# Altium PCB MasterRelayModule.PcbDoc
Units mm, origin at the board's own origin, x right, y up, seen from the top; angles counter-clockwise.
Board outline 81.05 x 73.63 mm, 2 copper layers (Top Layer, Bottom Layer); 61 components, 47 nets, 191 pads, 51 vias.
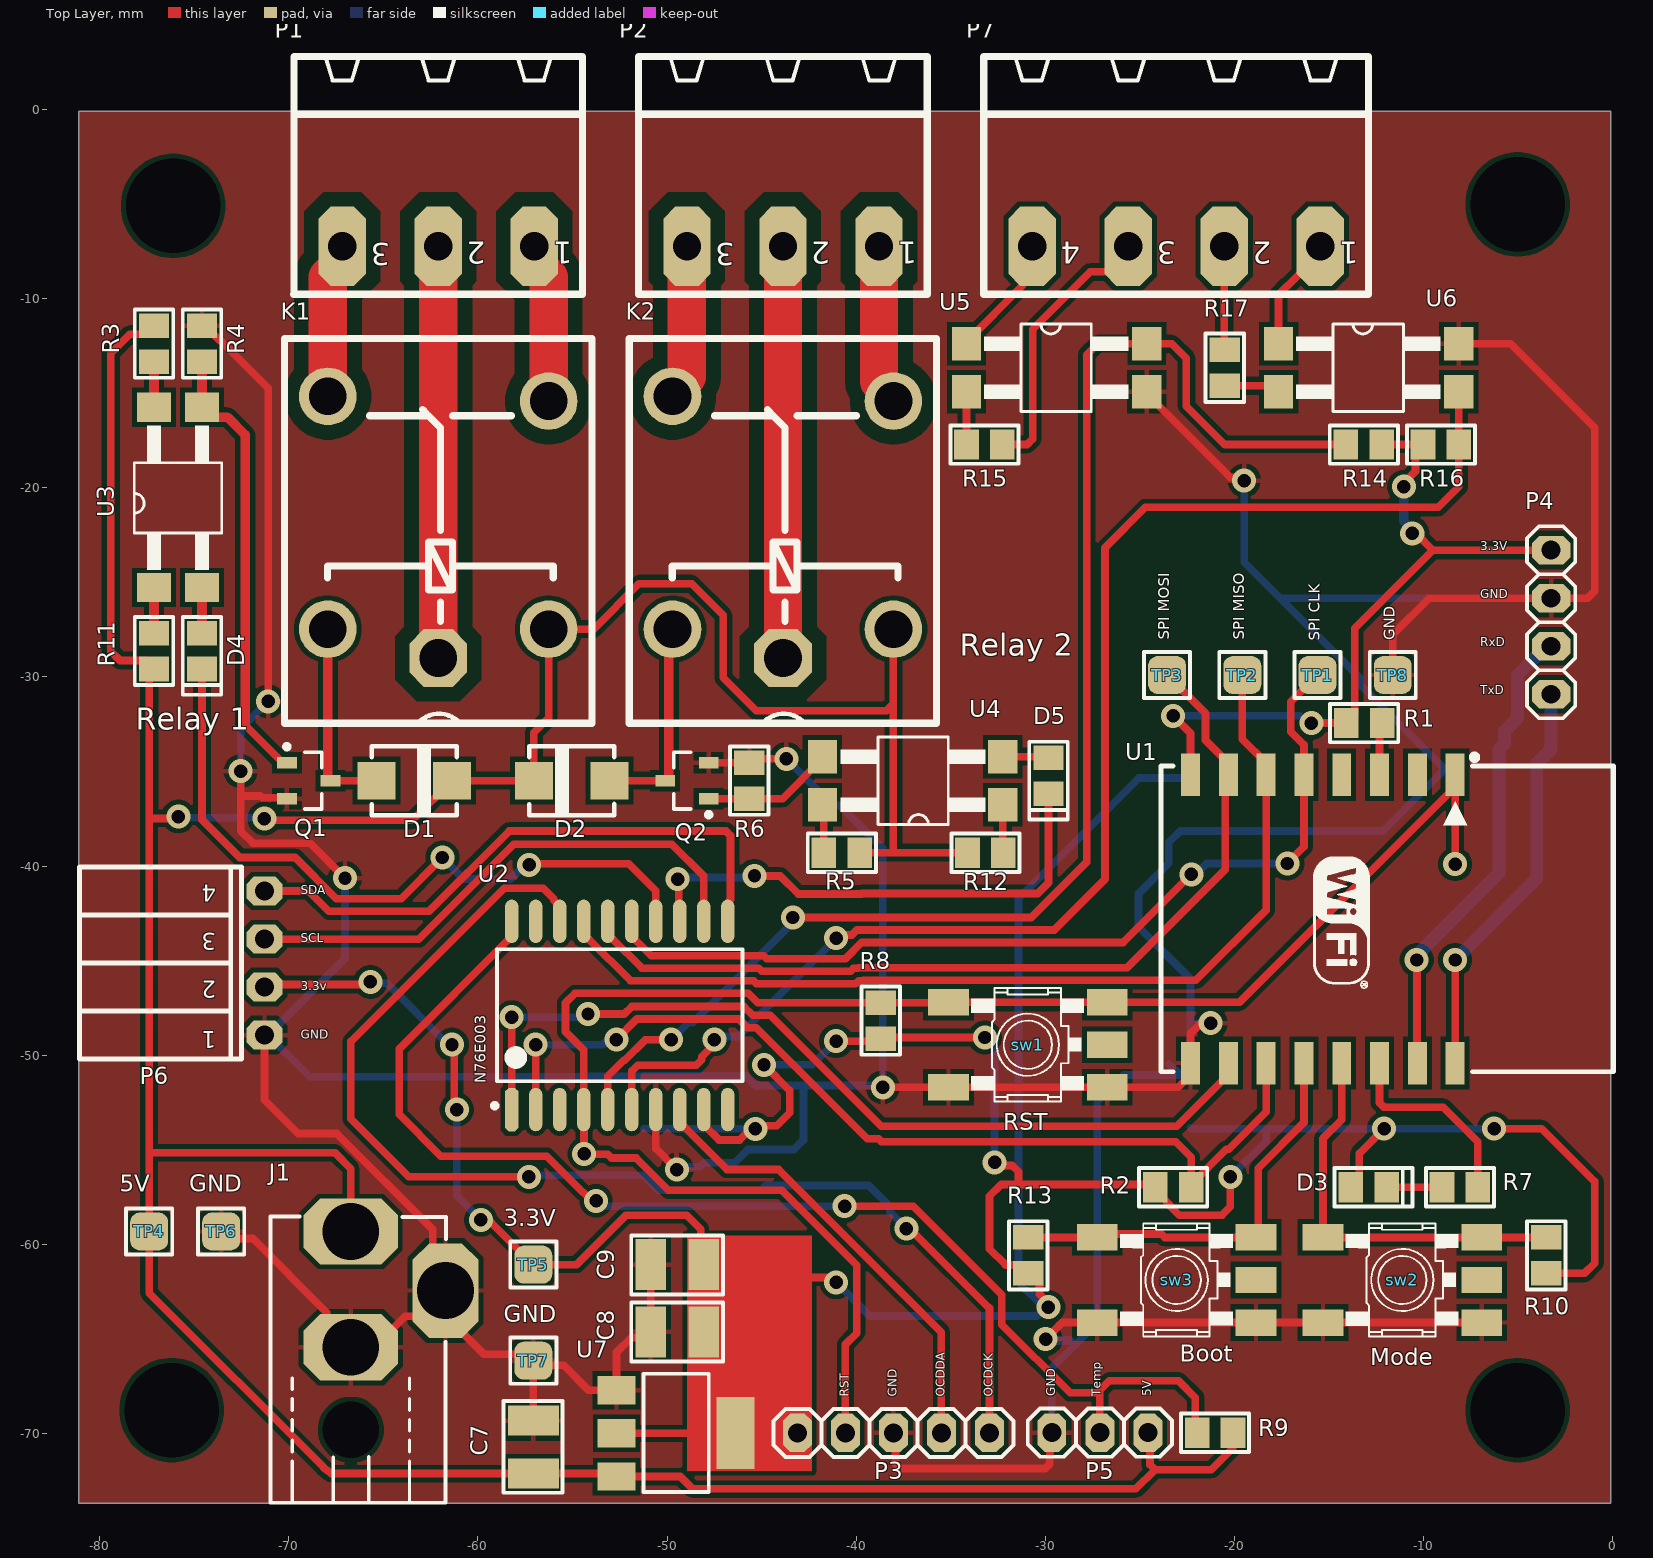
[diagram p0: Top Layer view]
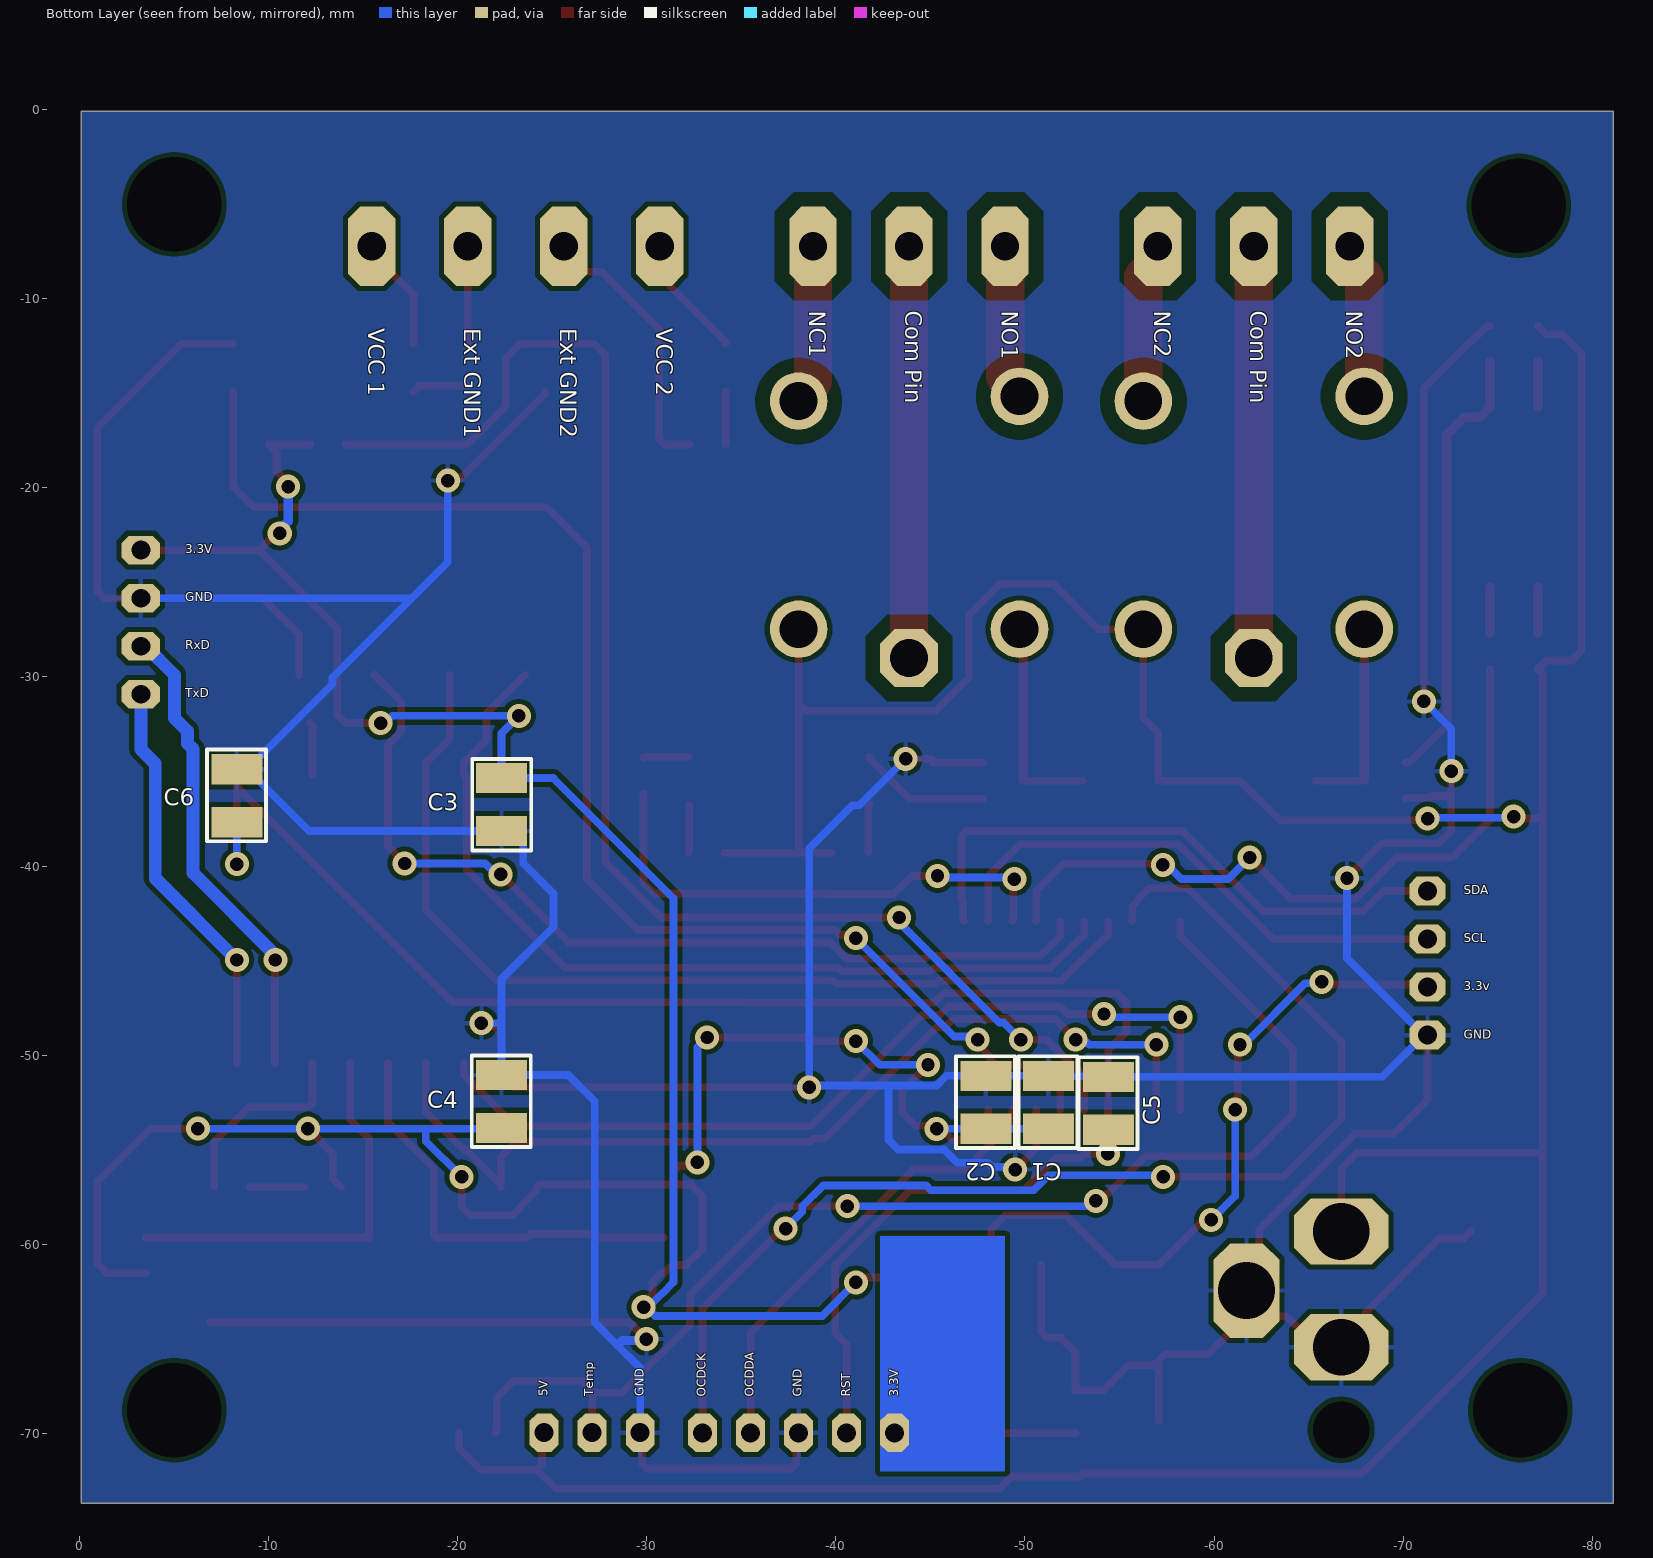
[diagram p1: Bottom Layer view, seen from below]
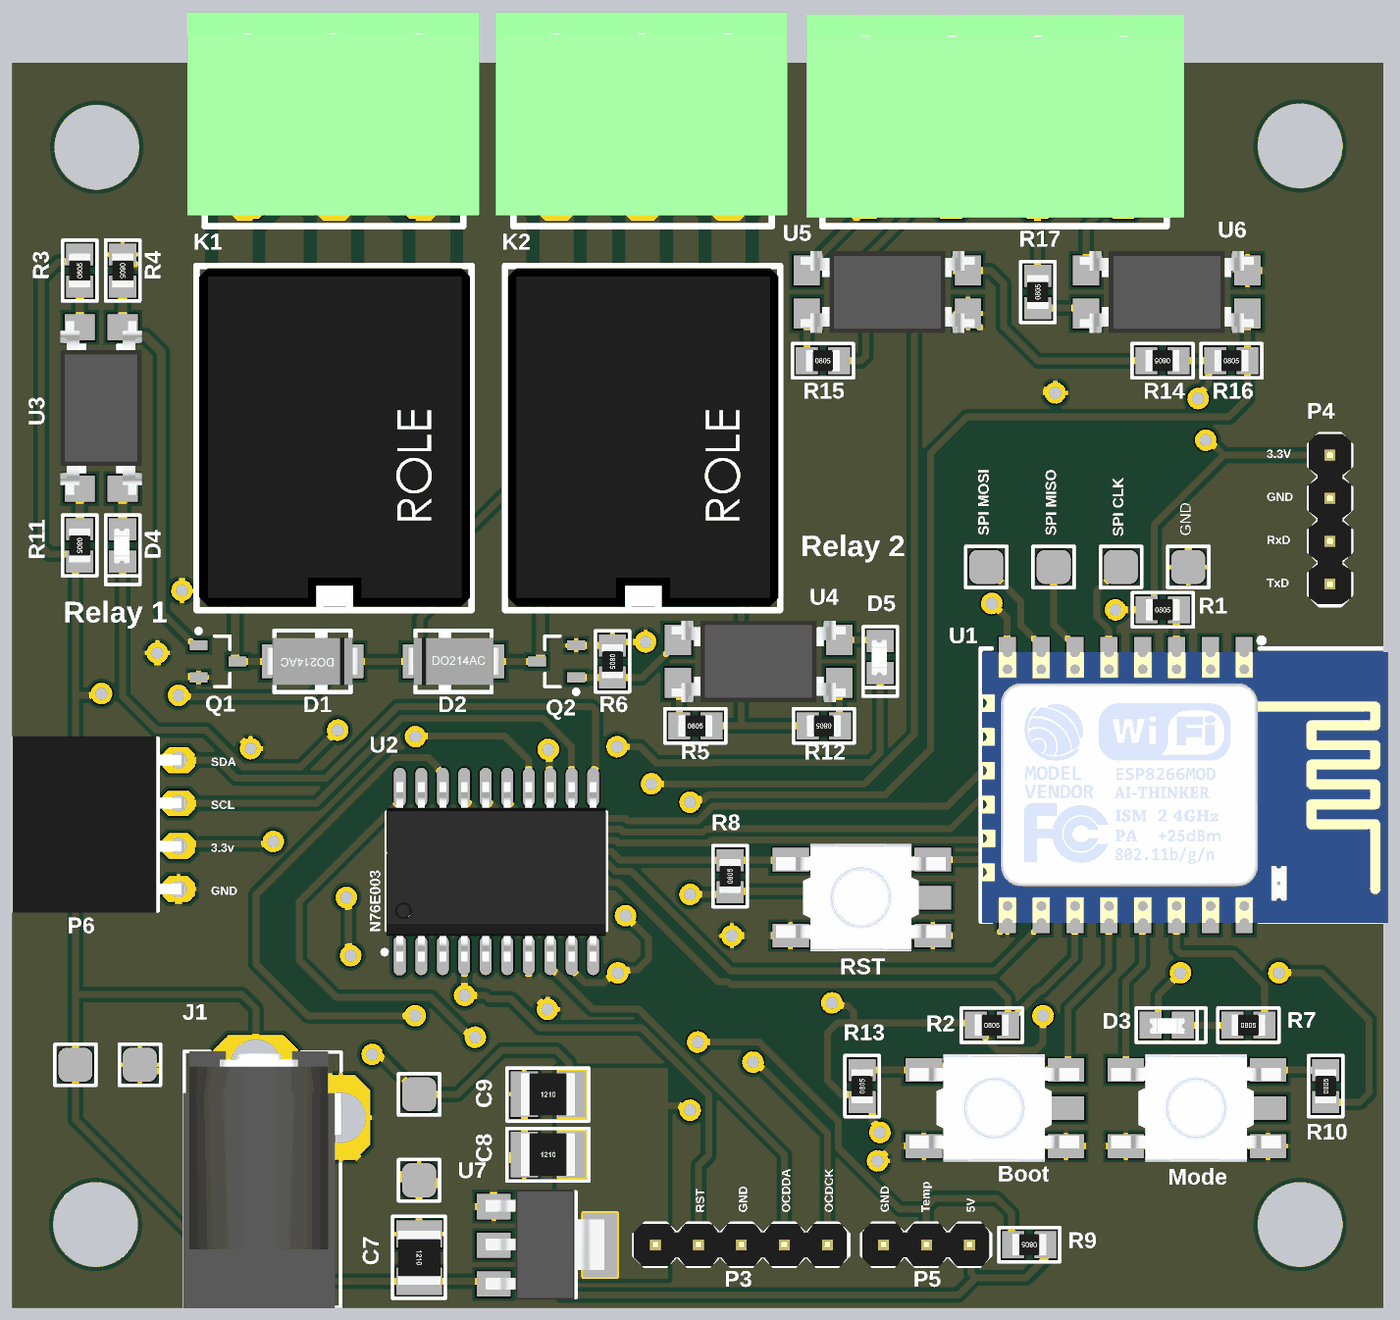
[diagram p2: 3D render of the assembled board from above, using the file's embedded part models]
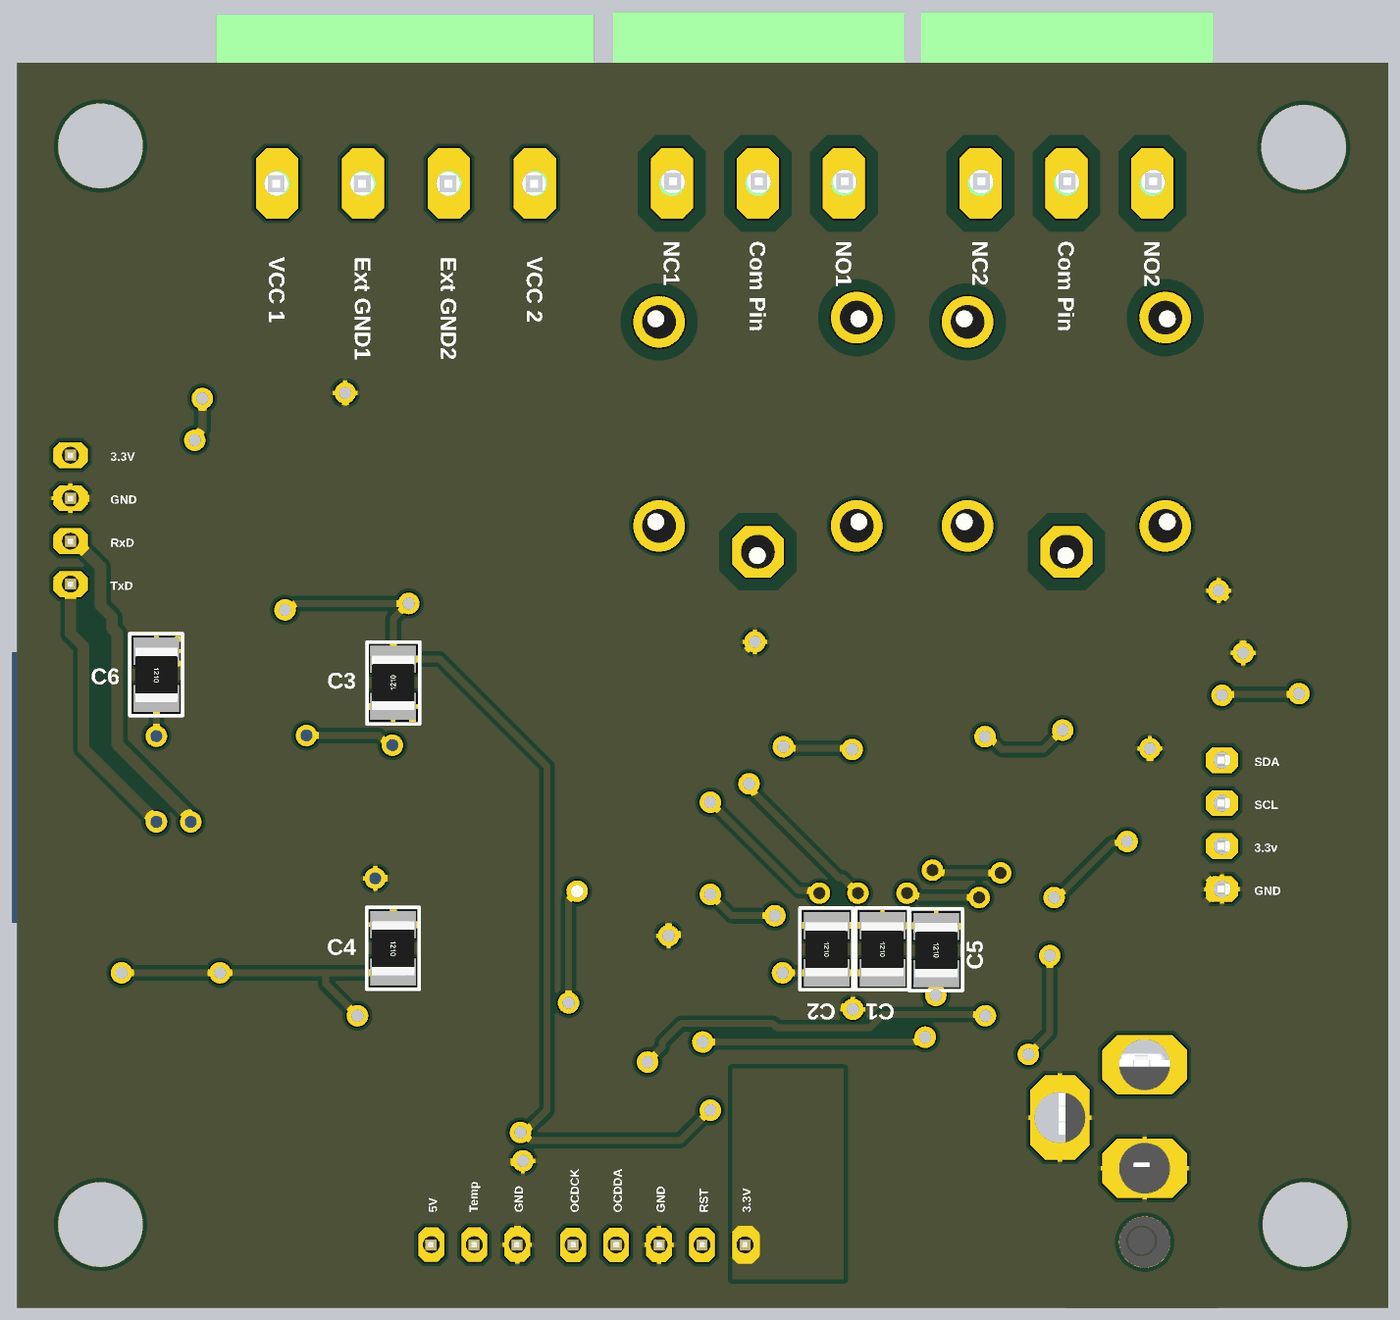
[diagram p3: 3D render of the assembled board from below, using the file's embedded part models]

## Layer stack, top to bottom
Top Solder: solder mask 0.0102, Solder Resist, Dk 3.5
Top Layer: signal copper 0.0356
Dielectric 1: dielectric 0.32, FR-4, Dk 4.8
Bottom Layer: signal copper 0.0356
Bottom Solder: solder mask 0.0102, Solder Resist, Dk 3.5

## Board outline
-81.127,-73.711 -81.127,-0.077 -0.077,-0.077 -0.077,-73.711

## Design rules (kind name [scope] priority, off if disabled: settings)
Clearance "Schematic Clearance Constraint_5" [InNet('NormalOpenRelay1')] p1: gap=0.762 ignorepadtopadclearanceinfootprint=FALSE
Clearance "Schematic Clearance Constraint_4" [InNet('CommonPinRelay1')] p2: gap=0.762 ignorepadtopadclearanceinfootprint=FALSE
Clearance "Schematic Clearance Constraint_3" [InNet('NormalCloseRelay1')] p3: gap=0.762 ignorepadtopadclearanceinfootprint=FALSE
Clearance "Schematic Clearance Constraint_2" [InNet('NormalOpenRelay2')] p4: gap=0.762 ignorepadtopadclearanceinfootprint=FALSE
Clearance "Schematic Clearance Constraint_1" [InNet('NormalCloseRelay2')] p5: gap=0.762 ignorepadtopadclearanceinfootprint=FALSE
Clearance "Schematic Clearance Constraint" [InNet('CommonPinRelay2')] p6: gap=0.762 ignorepadtopadclearanceinfootprint=FALSE
Clearance [All] p7: gap=0.254 ignorepadtopadclearanceinfootprint=FALSE except(0: Arc-Hole Track-Hole SMDPad-Hole THPad-Hole Via-Hole Fill-Hole Poly-Hole Region-Hole Text-Hole)
HoleSize [All] p1: absolutevalues=TRUE maxlimit=5 minlimit=0.025 maxpercent=80.000 minpercent=20.000
HoleToHoleClearance [All] p1: gap=0.076 allowstackedmicrovias=TRUE
MinimumSolderMaskSliver [All] p1: minsoldermaskwidth=0.076
PolygonConnect [All] p1: connectstyle=Relief reliefconductorwidth=0.254 reliefentries=4 polygonreliefangle="90 Angle" airgapwidth=0.254
RoutingVias [All] p1: holewidth=0.711 width=1.27 viastyle="Through Hole" minholewidth=0.711 minwidth=1.27 maxholewidth=0.711 maxwidth=1.27
SilkToSilkClearance [All] p1: silktosilkclearance=0.076
SilkToSolderMaskClearance [IsPad] p1: minsilkscreentomaskgap=0.076 clearancetoexposedcopper=TRUE
SolderMaskExpansion [All] p1: expansion=0.102 istentingtop=FALSE
Width "Schematic Width Constraint_5" [InNet('NormalCloseRelay1')] p1: maxlimit=2.54 minlimit=2.032 preferedwidth=2.032
Width "Schematic Width Constraint_4" [InNet('NormalCloseRelay2')] p2: maxlimit=2.54 minlimit=2.032 preferedwidth=2.032
Width "Schematic Width Constraint_3" [InNet('CommonPinRelay2')] p3: maxlimit=2.54 minlimit=2.032 preferedwidth=2.032
Width "Schematic Width Constraint_2" [InNet('NormalOpenRelay1')] p4: maxlimit=2.54 minlimit=2.032 preferedwidth=2.032
Width "Schematic Width Constraint_1" [InNet('CommonPinRelay1')] p5: maxlimit=2.54 minlimit=2.032 preferedwidth=2.032
Width "Schematic Width Constraint" [InNet('NormalOpenRelay2')] p6: maxlimit=2.54 minlimit=2.032 preferedwidth=2.032
Width [All] p7: maxlimit=1.27 minlimit=0.406 preferedwidth=0.508
25 further rules are at their usual default settings.

## Components (designator, comment, footprint, x,y, rotation, side; value= is the part's Value field where it differs from the comment)
C1 "10uF" MY_1210 -51.232,-52.502 r270 bottom
C2 "100uF" MY_1210 -47.93,-52.502 r270 bottom
C3 "10uF" MY_1210 -22.306,-36.746 r90 bottom
C4 "100uF" MY_1210 -22.306,-52.455 r270 bottom
C5 "100nF" MY_1210 -54.407,-52.555 r270 bottom
C6 "100uF" MY_1210 -8.306,-36.28 r270 bottom
C7 "10uF" MY_1210 -57.074,-70.739 r270 top
C8 "10uF" MY_1210 -49.454,-64.643 r0 top
C9 "10uF" MY_1210 -49.454,-61.087 r0 top
D1 "1N4007" MY_SMA -63.373,-35.484 r180 top
D2 "1N4007" MY_SMA -55.042,-35.484 r0 top
D3 "LED" MY_LED_0805 -12.878,-57.074 r180 top
D4 "LED" MY_LED_0805 -74.676,-28.626 r90 top
D5 "LED" MY_LED_0805 -29.896,-35.23 r90 top
J1 "DC_Jack" My_DC_Jack -66.726,-68.707 r0 top
K1 "Relay-SPDT" My_rel -62.116,-23.546 r180 top
K2 "Relay-SPDT" My_rel -43.879,-23.546 r180 top
P1 "Header 3" MY_MSTBA3 -62.154,-3.734 r180 top
P2 "Header 3" MY_MSTBA3 -43.917,-3.734 r180 top
P3 "Header 5" My_1X05 -38.024,-69.986 r0 top
P4 "Header 4" My_1X04 -3.226,-27.102 r270 top
P5 "Header 3" My_1X03 -27.102,-69.977 r0 top
P6 "Header 4" MY_FE04W -71.298,-45.136 r90 top
P7 "Header 4" MY_MSTBA4 -22.784,-3.734 r180 top
Q1 "BC817K-40" INF-SOT23_N -68.961,-35.484 r0 top
Q2 "BC817K-40" INF-SOT23_N -48.946,-35.484 r180 top
R1 "4.7K" MY_0805 -13.115,-32.436 r0 top
R2 "4.7K" MY_0805 -23.222,-56.998 r0 top
R3 "1K" MY_0805 -77.14,-12.37 r90 top
R4 "10K" MY_0805 -74.6,-12.37 r270 top
R5 "1K" MY_0805 -40.752,-39.294 r0 top
R6 "10K" MY_0805 -45.644,-35.484 r270 top
R7 "330" MY_0805 -8.052,-56.998 r0 top
R8 "1K" MY_0805 -38.695,-48.184 r90 top
R9 "4.7K" MY_0805 -21.006,-69.977 r180 top
R10 "1K" MY_0805 -3.48,-60.6 r90 top
R11 "220" MY_0805 -77.14,-28.626 r270 top
R12 "220" MY_0805 -33.153,-39.294 r180 top
R13 "1K" MY_0805 -30.887,-60.6 r90 top
R14 "1K" MY_0805 -13.132,-17.704 r180 top
R15 "220" MY_0805 -33.208,-17.704 r0 top
R16 "1K" MY_0805 -9.058,-17.704 r0 top
R17 "220" MY_0805 -20.498,-13.64 r90 top
sw1 "RST" MY_TACTILE-SMD -30.912,-49.454 r0 top
sw2 "Mode" MY_TACTILE-SMD -11.1,-61.9 r0 top
sw3 "Boot" MY_TACTILE-SMD -23.038,-61.9 r0 top
TP1 "SPI CLK" MY_Testpad1 -15.587,-29.896 r0 top
TP2 "SPI MISO" MY_Testpad1 -19.567,-29.896 r0 top
TP3 "SPI MOSI" MY_Testpad1 -23.546,-29.896 r0 top
TP4 "5V" MY_Testpad1 -77.394,-59.335 r0 top
TP5 "3.3V" MY_Testpad1 -57.074,-61.087 r0 top
TP6 "GND" MY_Testpad1 -73.584,-59.335 r0 top
TP7 "GND" MY_Testpad1 -57.074,-66.167 r0 top
TP8 "GND" MY_Testpad1 -11.608,-29.896 r0 top
U1 "ESP07-S" ESP07-S -15.164,-42.926 r270 top
U2 "N76E003" SOP_20 -52.502,-47.93 r90 top
U3 "Optoisolator" MY_OPTO_SMD4-7 -75.87,-20.498 r0 top
U4 "Optoisolator" MY_OPTO_SMD4-7 -37.008,-35.484 r90 top
U5 "Optoisolator" MY_OPTO_SMD4-7 -29.388,-13.64 r270 top
U6 "Optoisolator" MY_OPTO_SMD4-7 -12.878,-13.64 r270 top
U7 "LM1117-3.3v" MY_SOT223 -49.454,-69.977 r270 top

## Footprints (in the part's own frame and the unit in brackets; to place one, negate y for a bottom-side part, rotate by r counter-clockwise, add the part's x,y. Pads: shape width x height; smd on the part's side, far side on the other; paste and mask are expansions set on the pad)
ESP07-S [mm]
  rect 2.25x1 smd: 1(-7.753,6.858) 2(-7.753,4.858) 3(-7.753,2.858) 4(-7.753,0.858) 5(-7.753,-1.142) 6(-7.753,-3.142) 7(-7.753,-5.142) 8(-7.753,-7.142) 9(7.497,-7.142) 10(7.497,-5.142) 11(7.497,-3.142) 12(7.497,-1.142) 13(7.497,0.858) 14(7.497,2.858) 15(7.497,4.858) 16(7.497,6.858)
  silkscreen extent -8.83,-8.71 7.96,15.23, body extent -7.99,-8.66 8.03,15.37, height 3.82
INF-SOT23_N [mm] "SOT23, 3-Leads, Body 2.9x1.3 mm, Pitch 0.95 mm, IPC Medium Density"
  rect 1.05x0.6 smd: 1(-1.15,0.95) 2(-1.15,-0.95) 3(1.15,0)
  silkscreen extent -1.27,-1.5 0.7,1.92, body extent -0.7,-1.5 0.7,1.5, height 1.1
My_1X03 [mil]
  oct 60x80 hole 39.37: 1(-100,0) 2(0,0) 3(100,0)
  silkscreen extent -150,-50 150,50, body extent -149,-49 147,49, height 323
My_1X04 [mil]
  oct 60x80 hole 39.37: 1(-150,0) 2(-50,0) 3(50,0) 4(150,0)
  silkscreen extent -200,-50 200,50, body extent -200,-49 196,49, height 323
My_1X05 [mil]
  oct 60x80 hole 39.37: 1(-200,0) 2(-100,0) 3(0,0) 4(100,0) 5(200,0)
  silkscreen extent -250,-50 250,50, body extent -250,-49 246,49, height 323
MY_0805 [mm]
  rect 1.3x1.6 smd: 1(-0.95,0) 2(0.95,0)
  silkscreen extent -1.8,-1.02 1.8,1.02, body extent -1,-0.62 1,0.63, height 0.59
MY_1210 [mm]
  rect 1.6x2.7 smd: 1(-1.4,0) 2(1.4,0)
  silkscreen extent -2.44,-1.57 2.41,1.55, body extent -1.6,-1.25 1.6,1.25, height 0.59
My_DC_Jack [mm]
  round 0 hole 3: 0(0,-1.118)
  oct 5x3.5 hole 3: 1(0,9.373) 3(0,3.251)
  oct 3.5x5 hole 3: 2(5.004,6.248)
  silkscreen extent -4.25,-4.98 5.03,10.16, body extent -4.32,-5.04 5.08,10.16, height 11.02
MY_FE04W [mm]
  oct 1.524x1.905 hole 1: 1(-3.81,0) 2(-1.27,0) 3(1.27,0) 4(3.81,0)
  silkscreen extent -5.08,1.22 5.08,9.78, body extent -5.2,-0.25 5.21,9.81, height 2.52
MY_LED_0805 [mm]
  rect 1.3x1.6 smd: A(0.95,-0.076) K(-0.95,-0.076)
  silkscreen extent -2.31,-1.09 1.8,0.94, body extent -1.06,-0.48 1.01,0.42, height 0.86
MY_MSTBA3 [mm]
  oct 2.5x4.191 hole 1.5: 1(-5.131,3.48) 2(-0.051,3.48) 3(5.029,3.48)
  silkscreen extent -7.69,-6.55 7.59,6.02, body extent -8.62,-6.63 8.62,5.37, height 8.62
MY_MSTBA4 [mm]
  oct 2.5x4.191 hole 1.5: 1(-7.341,3.48) 2(-2.261,3.48) 3(2.819,3.48) 4(7.899,3.48)
  silkscreen extent -9.9,-6.55 10.46,6.02, body extent -10.93,-6.5 11.39,5.5, height 8.62
MY_OPTO_SMD4-7 [mm]
  rect 1.78x1.55 smd: 1(-1.27,-4.77) 2(1.27,-4.77) 3(1.27,4.77) 4(-1.27,4.77)
  silkscreen extent -2.32,-3.85 2.31,3.8, body extent -2.41,-5.14 2.41,5.14, height 5.6
My_rel [mil]
  oct 120x120 hole 78.74: 1(-0.5,214.5)
  round 120 hole 78.74: 2(-230.5,-320.5) 3(229.5,-330.5) 4(-230.5,154.5) 5(229.5,154.5)
  silkscreen extent -321,-451 320,351, body extent -317,-446 313,342, height 591
MY_SMA [mm]
  rect 2x2 smd: A(2,0) K(-2,0)
  silkscreen extent -2.25,-1.82 2.25,1.83, body extent -2.74,-1.4 2.74,1.4, height 2.29
MY_SOT223 [mil]
  rect 59x79 smd: 1(-88.65,-126.69) 2(1.35,-126.69) 3(91.35,-126.69)
  rect 150x79 smd: 2(0.35,121.31)
  silkscreen extent -123,-71 123,65, body extent -128,-145 128,131, height 66
MY_TACTILE-SMD [mm]
  rect 2.159x1.4 smd: 1(-4.2,2.25) 1(4.2,2.25) 2(-4.2,-2.25) 2(4.2,-2.25) 5(4.2,0)
  silkscreen extent -3,-3 2.98,3, body extent -5.06,-3.17 4.97,3.17, height 5.52
MY_Testpad1 [mil]
  rrect50% 79x79 smd: 1(0,0)
  silkscreen extent -48,-48 48,48
SOP_20 [mm]
  oct 2.3x0.7 smd: 1(-4.953,5.715)
  oval 2.3x0.7 smd: 2(-4.953,4.445) 3(-4.953,3.175) 4(-4.953,1.905) 5(-4.953,0.635) 6(-4.953,-0.635) 7(-4.953,-1.905) 8(-4.953,-3.175) 9(-4.953,-4.445) 10(-4.953,-5.715) 11(5.004,-5.715) 12(5.004,-4.445) 13(5.004,-3.175) 14(5.004,-1.905) 15(5.004,-0.635) 16(5.004,0.635) 17(5.004,1.905) 18(5.004,3.175) 19(5.004,4.445) 20(5.004,5.715)
  silkscreen extent -4.87,-6.5 3.53,6.74, body extent -5.3,-6.5 5.3,6.5, height 2.57

## Part data
C1 C2 C3 C4 C5 C6 C7 C8 C9: library part "Cap ceramic", "None polar capacitor", ASiD Part Number=C-AS, Volte=>10v
D1 D2: "1 Amp Diode", ASiD Part Number=1n4007-AS
D3 D4 D5: "Typical INFRARED GaAs LED", ASiD Part Number=LED-AS
J1: ASiD Part Number=DC_Jack-AS
K1 K2: "Standard single contact relay", ASiD Part Number=Relay-SPDT-AS
P1 P2 P5: "Header, 3-Pin", ASiD Part Number="Header 3-AS"
P3: "Header, 5-Pin", ASiD Part Number="Header 5-AS"
P4 P6 P7: "Header, 4-Pin", ASiD Part Number="Header 4-AS"
Q1 Q2: "NPN Silicon AF Transistor, 45 V VCEO, 500 mA IC, SOT23, Reel, Green", Manufacturer=Infineon, ComponentLink1Description="Manufacturer URL", ComponentLink1URL=http://www.infineon.com/, ComponentLink2Description=Datasheet, ComponentLink2URL=http://www.infineon.com/dgdl/bc817Kseries_bc818Kseries.pdf?folderId=db3a304314dca389011545f4eb561884&fileId=db3a304314dca38901154636aab91919, ComponentLink3Description="Package Specification", ComponentLink3URL=http://www.infineon.com/dgdl/SOT23-Package_Overview.pdf?folderId=db3a30431936bc4b0119532290053c66&fileId=db3a30431936bc4b0119533468123c85, fT (typ)="170 MHz", Green=TRUE, IBM (max)="200 mA", IC="100 mA", IC (max)="500 mA", ICBO (max)="100 nA", ICM (max)="1,000 mA", Mounting Technology="Surface Mount", PackageDescription="3-Pin Small Outline Transistor Package, 1.3 x 2.9 mm Body, 0.95 mm Pitch", PackageReference=SOT23, PackageVersion=Apr-08, Packing=Reel, PartNumber=BC817K-40, Polarity=NPN, Ptot (max)="500 mW", VCBO (max)="50 V", VCE="1 V", VCEO (max)="45 V", VEBO (max)="5 V"
R1 R2 R3 R4 R5 R6 R7 R8 R9 R10 R11 R12 R13 R14 R15 R16 R17: library part Res, "Standard resistor", ASiD Part Number=Res-AS
sw1 sw2 sw3: library part "Tac switch", "small tac switch", ASiD Part Number="Tac switch-AS"
TP1 TP2 TP3 TP4 TP5 TP6 TP7 TP8: library part "Test Point", "Test point", ASiD Part Number="Test Point-AS"
U3 U4 U5 U6: ASiD Part Number=Optoisolator-AS
U7: library part LM1117, "Low Drop Voltage Reg", ASiD Part Number=LM1117-AS

## Free pads (board coordinates)
  round 1.524 hole 5: 2(-76.204,-68.787) 2(-76.127,-5.077) 2(-5,-68.787) 2(-5,-5)

## Via types
v1: diameter 1.27, hole 0.711, Top Layer to Bottom Layer, 51 vias

## Nets (pads, with @x,y where several pads share a name; then routed paths per layer and width w, separated by ;. In a path a pad name is that pad's centre, name@x,y a point inside that pad or via, vN(x,y) a via of type N, cw(c..) or ccw(c..) an arc to the next point about the centre after c; other vN are vias at no path point)
3.3V: C1.2 C2.2 C3.2 C4.2 C8.2 C9.2 D3.A P3.1 P4.1 P6.2 R1.1 R2.1 R8.1 R10.1 R13.1 R14.1 R16.1 TP5.1 U1.8 U2.9 U7.2 | length 243.8
  Top Layer w0.406: P6.2 -71.162,-46.27 -65.829,-46.27 v1(-65.693,-46.134) ; v1(-61.375,-49.448) -61.248,-49.575 -61.248,-52.756 v1(-61.121,-52.883) ; v1(-59.851,-58.725) -59.686,-58.89 -59.271,-58.89 TP5.1 -54.788,-61.087 -52.171,-58.471 -48.963,-58.471 -48.219,-59.215 -48.219,-60.922 C9.2 ; U7.2@-52.672,-70.011 -47.93,-70.011 -48.054,-69.887 C8.2 C9.2 ; U2.9 -48.057,-53.683 -47.25,-54.49 -46.144,-54.49 -45.555,-53.902 v1(-45.322,-53.902) -45.156,-53.737 -44.195,-53.737 -43.51,-53.051 -43.51,-51.88 v1(-44.869,-50.52) ; v1(-41.055,-62.027) -41.289,-62.027 -41.543,-61.773 -47.369,-61.773 C9.2 ; v1(-41.055,-49.263) -38.824,-49.263 R8.1 -38.633,-49.073 v1(-33.181,-49.073) ; v1(-32.673,-55.677) -32.508,-55.842 -31.746,-55.842 -31.403,-56.185 -31.403,-56.848 ; v1(-29.829,-63.339) -29.829,-63.109 -30.29,-62.648 -30.29,-61.997 -30.737,-61.55 R13.1 -31.333,-61.103 -32.089,-61.103 -32.944,-60.249 -32.944,-57.471 -32.32,-56.848 -31.403,-56.848 ; v1(-23.222,-32.055) -22.306,-32.971 U1.8 ; v1(-20.195,-56.439) -20.195,-58.022 -20.644,-58.471 -22.896,-58.471 -23.399,-57.968 -23.399,-57.921 -24.172,-57.148 R2.1 -24.322,-56.848 -31.403,-56.848 ; v1(-15.909,-32.436) R1.1 -13.623,-31.994 -13.623,-27.426 -9.489,-23.292 ; D3.A -13.381,-56.551 -13.381,-55.212 v1(-12.068,-53.899) ; R14.1 R16.1 -10.404,-18.1 -10.404,-19.109 -11.024,-19.729 v1(-11.024,-19.935) ; v1(-10.575,-22.403) -10.378,-22.403 -9.489,-23.292 ; v1(-6.249,-53.899) -3.717,-53.899 -0.923,-56.693 -0.923,-61.011 -1.463,-61.55 R10.1 ; P4.1 -9.489,-23.292
  Bottom Layer w0.406: v1(-65.693,-46.134) -65.625,-46.202 -64.814,-46.202 -61.569,-49.448 v1(-61.375,-49.448) ; v1(-61.121,-52.883) -61.121,-57.455 v1(-59.851,-58.725) ; C1.2 v1(-45.322,-53.902) ; v1(-44.869,-50.52) -42.313,-50.52 v1(-41.055,-49.263) ; v1(-41.055,-62.027) -39.277,-63.805 -30.447,-63.805 -29.981,-63.339 v1(-29.829,-63.339) ; v1(-33.181,-49.073) -32.673,-49.581 v1(-32.673,-55.677) ; v1@-30.036,-63.394 -30.036,-63.365 -30.803,-62.599 -30.831,-62.599 -31.403,-62.027 -31.403,-41.697 -25.053,-35.347 C3.2 -22.306,-32.971 v1(-23.222,-32.055) -16.524,-32.055 -16.143,-32.436 v1(-15.909,-32.436) ; C4.2 -22.262,-53.899 -18.306,-53.899 ; v1(-20.195,-56.439) -18.306,-54.55 -18.306,-53.899 ; v1(-6.249,-53.899) v1(-12.068,-53.899) -18.306,-53.899
  Bottom Layer w0.508: v1(-11.024,-19.935) -11.024,-21.747 -10.575,-22.196 v1(-10.575,-22.403)
+5: C7.2 D1.K D2.K J1.1 K1.4 K2.4 P5.3 R3.2 R5.2 R9.1 R11.2 R12.2 TP4.1 U7.3 | length 205.5
  Top Layer w0.406: R3.2 -77.587,-11.867 -78.415,-11.867 -79.426,-12.878 -79.426,-28.642 -78.939,-29.129 -77.587,-29.129 R11.2 -77.394,-29.83 -77.394,-37.488 ; v1(-75.853,-37.389) -75.952,-37.488 -77.394,-37.488 ; v1(-71.298,-37.488) -71.199,-37.587 -63.476,-37.587 D1.K D2.K -57.042,-32.944 -56.261,-32.163 K1.4 -53.886,-27.47 -51.486,-25.07 -48.692,-25.07 -47.021,-26.741 -47.021,-30.043 -45.276,-31.788 -38.392,-31.788 -38.024,-31.42 ; J1.1 -66.726,-56.007 -67.565,-55.169 -77.394,-55.169 ; R5.2 -38.024,-39.294 ; K2.4 -38.024,-31.42 ; R12.2 -38.024,-39.294 ; P5.3 -24.444,-70.095 -24.444,-71.67 -24.181,-71.933 ; R9.1 -20.071,-69.992 -20.071,-70.799 -21.204,-71.933 -24.181,-71.933 ; -77.394,-55.169 -77.394,-62.591 -68.142,-71.844 ccw(c-67.028,-70.733) -67.8,-72.103 -67.764,-72.139 C7.2 -53.084,-72.139 -52.926,-72.297 U7.3 -49.304,-72.297 -48.653,-72.949 -25.197,-72.949 -24.181,-71.933 ; -77.394,-55.169 -77.394,-37.488 ; -38.024,-39.294 -38.024,-31.42
  Bottom Layer w0.406: v1(-75.853,-37.389) -75.804,-37.438 -71.348,-37.438 v1(-71.298,-37.488)
button: R10.2 sw2.1 U1.13 | length 21.5
  Top Layer w0.406: U1.13 -14.306,-53.422 -15.3,-54.416 -15.3,-59.65 -6.9,-59.65 R10.2
CommonPinRelay1: K1.1 P1.2 | length 21.8
  Top Layer w2.032: K1.1 P1.2
CommonPinRelay2: K2.1 P2.2 | length 21.8
  Top Layer w2.032: K2.1 P2.2
"ESP Mode Button": R13.2 sw3.1 U1.12 | length 22.5
  Top Layer w0.406: R13.2 -27.238,-59.65 -27.054,-59.466 -23.855,-59.466 -23.671,-59.65 -18.838,-59.65 -18.72,-59.532 -18.72,-55.982 -16.306,-53.568 U1.12
ESP_RXD: P4.3 U1.15 | length 25.2
  Top Layer w0.406: v1(-10.338,-44.971) -10.322,-44.987 -10.322,-50.407 U1.15
  Bottom Layer w0.686: v1(-10.338,-44.971) -10.338,-44.717 -5.995,-40.373 -5.995,-33.823 -5.69,-33.519 -5.69,-32.868 -5.004,-32.182 -5.004,-29.896 -3.48,-28.372 P4.3
ESP_TXD: P4.4 U1.16 | length 21.6
  Top Layer w0.406: U1.16 v1(-8.306,-44.971)
  Bottom Layer w0.686: v1(-8.306,-44.971) -3.988,-40.653 -3.988,-34.585 -3.226,-33.823 P4.4
ESPReset: C5.2 C6.2 P3.2 R8.2 sw1.1 U1.1 U2.4 | length 94.8
  Top Layer w0.406: v1@-54.387,-55.237 -54.377,-55.248 -53.136,-55.248 -52.933,-55.451 -51.631,-55.451 -49.932,-57.15 -43.93,-57.15 -39.963,-61.117 -39.963,-64.71 -40.564,-65.311 P3.2 ; v1(-54.381,-55.231) -54.394,-55.217 -54.394,-52.896 U2.4 -54.407,-49.733 -55.372,-48.768 -55.372,-47.244 -54.864,-46.736 -45.696,-46.736 -45.198,-47.234 R8.2 -35.142,-47.234 -35.112,-47.204 -26.712,-47.204 -19.712,-47.204 U1.1@-8.306,-35.798 ; v1(-8.306,-39.903) U1.1@-8.306,-35.798 ; U1.1 U1.1@-8.306,-35.798
  Bottom Layer w0.406: C5.2 -54.381,-53.981 v1(-54.381,-55.231) ; v1(-8.306,-39.903) C6.2
GND: C1.1 C2.1 C3.1 C4.1 C5.1 C6.1 C7.1 C8.1 C9.1 J1.2 J1.3 P3.3 P4.2 P5.1 P6.1 Q1.2 Q2.2 R4.1 R6.1 sw1.2 sw2.2 sw3.2 TP6.1 TP7.1 TP8.1 U1.9 U2.7 U5.3 U6.4 U7.1 | length 361.1
  Top Layer w0.406: R4.1 -74.45,-11.42 -73.677,-12.193 -73.63,-12.193 -71.101,-14.723 v1(-71.101,-31.293) ; TP6.1 -73.216,-59.703 -71.92,-59.703 -67.996,-63.627 -67.996,-64.341 -66.881,-65.456 J1.3 -65.473,-65.456 -63.838,-63.821 J1.2@-62.837,-63.821 ; v1(-72.551,-34.984) -72.551,-36.296 ; P6.1 -71.298,-52.358 -69.503,-54.153 -67.471,-54.153 -62.394,-59.23 -62.394,-61.787 J1.2 -61.722,-63.796 -59.682,-65.837 -57.405,-65.837 TP7.1 ; Q1.2 -70.15,-36.396 -71.413,-36.396 -71.512,-36.296 -72.551,-36.296 ; v1(-67.036,-40.64) -68.874,-38.803 -71.899,-38.803 -72.551,-38.151 -72.551,-36.296 ; C7.1 TP7.1 ; C9.1 C8.1 -51.159,-64.948 -51.892,-64.948 -52.672,-65.728 U7.1 -54.152,-67.725 -55.461,-66.417 -56.824,-66.417 TP7.1 ; U2.7 -50.597,-54.94 v1(-49.479,-56.058) ; Q2.2 -45.136,-34.534 -45.136,-34.418 -45.047,-34.329 v1(-43.688,-34.329) ; v1(-38.585,-51.704) -35.112,-51.704 -26.712,-51.704 -22.962,-51.704 -22.306,-51.048 U1.9 -22.306,-48.865 -21.751,-48.311 v1(-21.243,-48.311) ; P3.3@-37.906,-70.104 -37.906,-71.635 -37.668,-71.873 -29.998,-71.873 -29.76,-71.635 P5.1@-29.76,-70.095 ; v1(-29.972,-65.024) -29.96,-65.024 -29.086,-64.15 -18.838,-64.15 -15.3,-64.15 sw2.2@-6.9,-64.15 ; U5.3 -24.618,-15.025 -20.2,-19.443 -19.63,-19.443 v1(-19.465,-19.609) ; TP8.1 -11.608,-27.753 -9.687,-25.832 P4.2 -1.305,-25.832 -0.923,-25.451 -0.923,-16.815 -5.368,-12.37 U6.4
  Bottom Layer w0.406: v1(-72.551,-34.984) -72.551,-32.743 v1(-71.101,-31.293) ; P6.1 P6.1@-71.108,-48.946 ; v1(-67.036,-40.64) -67.036,-44.875 P6.1@-71.108,-48.946 ; v1(-49.479,-56.058) -49.327,-55.905 -48.235,-55.905 -48.032,-55.702 -46.422,-55.702 -45.721,-55.001 -43.289,-55.001 -42.778,-54.49 -42.778,-51.613 ; v1(-43.688,-34.329) -41.234,-36.783 -40.873,-36.783 -38.585,-39.071 v1(-38.585,-51.704) -38.676,-51.613 -42.778,-51.613 ; P5.1 -29.642,-66.554 -28.44,-65.352 -27.238,-64.15 -27.238,-52.448 -25.845,-51.055 -22.856,-51.055 C4.1@-23.453,-50.458 ; C4.1 -22.306,-48.311 ; v1(-21.243,-48.311) -22.306,-48.311 ; v1(-19.465,-19.609) -19.465,-23.927 -17.56,-25.832 ; C6.1 C6.1@-8.856,-34.88 ; P4.2 -17.56,-25.832 ; P6.1@-71.108,-48.946 -68.899,-51.155 C5.1 -54.381,-51.128 -51.258,-51.128 C1.1 C2.1 -45.832,-51.102 -45.322,-51.613 -42.778,-51.613 ; -22.306,-48.311 -22.306,-45.978 -25.053,-43.231 -25.053,-41.453 -23.453,-39.852 -23.453,-38.743 -22.856,-38.147 C3.1 -17.183,-38.147 -17.179,-38.151 -12.127,-38.151 C6.1@-8.856,-34.88 ; -17.56,-25.832 -13.369,-30.023 -13.369,-30.367 C6.1@-8.856,-34.88
  Bottom Layer w0.457: v1(-29.972,-65.024) -29.897,-65.099 -28.693,-65.099 -28.44,-65.352
"HSPI CLK": TP1.1 U1.5 U2.15 | length 49.3
  Top Layer w0.406: U2.15 -51.867,-43.726 -50.838,-44.755 -44.875,-44.755 -44.723,-44.907 -40.558,-44.907 -39.694,-44.043 -25.866,-44.043 v1(-22.259,-40.437) ; v1(-17.179,-39.865) -17.179,-39.852 -16.306,-38.978 -16.306,-33.584 -17.001,-32.888 -17.001,-31.31 TP1.1
  Bottom Layer w0.406: v1(-22.259,-40.437) -22.026,-40.437 -21.454,-39.865 v1(-17.179,-39.865)
"HSPI CS": U1.10 U2.1 | length 47.4
  Top Layer w0.406: U2.1 v1(-58.217,-47.993) ; v1(-54.181,-47.828) -52.26,-47.828 -51.866,-47.434 -45.932,-47.434 -45.47,-47.896 -44.544,-47.896 -38.668,-53.772 -23.03,-53.772 -20.306,-51.048 U1.10
  Bottom Layer w0.406: v1(-58.217,-47.993) -54.346,-47.993 v1(-54.181,-47.828)
"HSPI MISO": TP2.1 U1.6 U2.17 | length 52.5
  Top Layer w0.406: U2.17 -54.407,-43.647 -54.181,-43.873 -54.132,-43.873 -51.929,-46.076 -45.422,-46.076 -45.27,-46.228 -40.011,-46.228 -39.859,-46.076 -39.633,-46.076 -39.604,-46.047 -22.027,-46.047 -18.306,-42.325 U1.6 -18.306,-34.548 -19.567,-33.287 TP2.1
"HSPI MOSI": TP3.1 U1.7 U2.16 | length 48.1
  Top Layer w0.406: U2.16 -53.137,-43.647 -52.911,-43.873 -52.862,-43.873 -51.319,-45.415 -45.149,-45.415 -44.996,-45.567 -40.284,-45.567 -40.132,-45.415 -39.906,-45.415 -39.878,-45.386 -25.664,-45.386 -20.463,-40.185 -20.463,-35.33 U1.7 -20.306,-34.548 -21.514,-33.34 -21.514,-31.928 TP3.1
Input01: R14.2 U2.5 U5.4 | length 76.4
  Top Layer w0.406: U2.5 -53.137,-51.124 -52.292,-50.279 -52.232,-50.279 -51.14,-49.187 v1(-49.784,-49.187) ; v1(-43.341,-42.723) -30.723,-42.723 -27.788,-39.787 -27.788,-12.945 -27.213,-12.37 U5.4 -23.292,-12.37 -22.53,-13.132 -22.53,-15.672 -20.498,-17.704 R14.2
  Bottom Layer w0.406: v1(-49.784,-49.187) -48.879,-48.282 -48.641,-48.282 -43.506,-43.147 -43.506,-42.888 v1(-43.341,-42.723)
Input02: R16.2 U2.6 U6.3 | length 74.1
  Top Layer w0.406: U2.6 -51.867,-50.848 -51.551,-50.532 -48.448,-50.532 -48.161,-50.245 -48.161,-50.083 -47.498,-49.42 v1(-47.498,-49.187) ; v1(-41.055,-43.815) -40.89,-43.65 -40.234,-43.65 -39.968,-43.383 -29.524,-43.383 -26.831,-40.691 -26.831,-23.165 -24.694,-21.028 -9.2,-21.028 -8.108,-19.935 R16.2 U6.3
  Bottom Layer w0.406: v1(-47.498,-49.187) -47.333,-49.021 -46.262,-49.021 v1(-41.055,-43.815)
LED: R7.2 U1.14 | length 10.6
  Top Layer w0.406: U1.14 -12.306,-52.518 -12.068,-52.756 -8.936,-52.756 -7.102,-54.59 R7.2
"MCU I2C_SCL": P6.3 U2.12 | length 28.4
  Top Layer w0.406: P6.3 -63.131,-43.866 -58.106,-38.841 -49.742,-38.841 -48.057,-40.526 U2.12
"MCU I2C_SDA": P6.4 U2.11 | length 31.5
  Top Layer w0.406: P6.4 -68.963,-41.326 -67.896,-42.393 -62.592,-42.393 -58.35,-38.151 -46.881,-38.151 -46.643,-38.389 -46.643,-41.775 -46.731,-41.862 -46.731,-42.87 U2.11
"MCU TxD": R2.2 U1.11 U2.2 | length 51.4
  Top Layer w0.406: U2.2 v1(-56.947,-49.448) ; v1(-52.684,-49.187) -51.592,-48.094 -46.205,-48.094 -45.744,-48.556 -45.289,-48.556 -39.413,-54.432 -38.805,-54.432 -38.653,-54.584 -23.097,-54.584 -22.272,-55.41 R2.2@-22.272,-56.848 ; R2.2 R2.2@-22.272,-56.848 ; U1.11 -18.306,-53.008 -20.279,-54.981 -20.406,-54.981 R2.2@-22.272,-56.848
  Bottom Layer w0.406: v1(-56.947,-49.448) -53.416,-49.448 -53.32,-49.352 -52.85,-49.352 v1(-52.684,-49.187)
NetD1_A: D1.A K1.5 Q1.3 | length 10.6
  Top Layer w0.406: Q1.3@-67.945,-35.438 -67.899,-35.484 Q1.3 D1.A
  Top Layer w0.508: Q1.3@-67.945,-35.438 K1.5
NetD2_A: D2.A K2.5 Q2.3 | length 11.2
  Top Layer w0.406: D2.A Q2.3 -49.948,-35.484 Q2.3@-49.902,-35.438
  Top Layer w0.508: Q2.3@-49.902,-35.438 -49.902,-27.664 K2.5
NetD3_K: D3.K R7.1 | length 2.9
  Top Layer w0.406: D3.K R7.1
NetD4_A: D4.A U3.2 | length 2.4
  Top Layer w0.508: D4.A U3.2
NetD5_A: D5.A U4.2 | length 2.4
  Top Layer w0.406: U4.2 -29.886,-34.214 D5.A
NetP7_1: P7.1 U6.1 | length 6.1
  Top Layer w0.406: U6.1 -17.648,-9.754 -17.192,-9.298 -17.158,-9.298 -15.443,-7.583 P7.1
NetP7_2: P7.2 R17.2 | length 5.5
  Top Layer w0.406: P7.2 -20.523,-12.665 R17.2
NetP7_3: P7.3 R15.2 | length 14.6
  Top Layer w0.406: R15.2 -30.956,-17.704 -30.658,-17.406 -30.658,-11.608 -27.615,-8.565 -26.599,-8.565 -25.603,-7.569 P7.3
NetP7_4: P7.4 U5.1 | length 6.6
  Top Layer w0.406: U5.1 -34.158,-12.255 -31.203,-9.3 -31.203,-7.734 P7.4
NetQ1_1: Q1.1 R4.2 U3.3 | length 23.7
  Top Layer w0.406: -72.314,-32.506 -72.314,-32.556 -70.336,-34.534 Q1.1
  Top Layer w0.508: R4.2 U3.3 -74.079,-16.249 -73.261,-16.249 -72.314,-17.196 -72.314,-32.506
NetQ2_1: Q2.1 R6.2 U4.3 | length 7
  Top Layer w0.406: Q2.1 -45.136,-36.434 -43.883,-36.434 -41.778,-34.329 U4.3
NetR1_2: R1.2 U1.3 | length 2.8
  Top Layer w0.406: U1.3 -12.306,-32.577 R1.2
NetR3_1: R3.1 U3.4 | length 2.4
  Top Layer w0.508: U3.4 R3.1
NetR5_1: R5.1 U4.4 | length 2.6
  Top Layer w0.406: U4.4 -41.702,-36.83 R5.1
NetR11_1: R11.1 U3.1 | length 2.4
  Top Layer w0.508: R11.1 U3.1
NetR12_1: R12.1 U4.1 | length 2.6
  Top Layer w0.406: U4.1 -32.238,-39.259 R12.1
NetR15_1: R15.1 U5.2 | length 2.8
  Top Layer w0.406: R15.1 U5.2
NetR17_1: R17.1 U6.2 | length 3
  Top Layer w0.406: R17.1 -17.968,-14.59 U6.2
NormalCloseRelay1: K1.2 P1.1 | length 8.5
  Top Layer w2.032: P1.1 -57.023,-8.089 -56.261,-8.851 K1.2
NormalCloseRelay2: K2.2 P2.1 | length 8.5
  Top Layer w2.032: P2.1 -38.786,-14.368 -38.024,-15.13 K2.2
NormalOpenRelay1: K1.3 P1.3 | length 8.3
  Top Layer w2.032: K1.3 -67.945,-8.851 -67.183,-8.089 P1.3
NormalOpenRelay2: K2.3 P2.3 | length 8.3
  Top Layer w2.032: K2.3 -49.708,-14.876 -48.946,-14.114 P2.3
OCDCK: P3.5 U2.18 | length 64.7
  Top Layer w0.406: v1(-57.311,-56.439) -63.661,-56.439 -66.726,-53.374 -66.726,-49.286 -58.612,-41.172 -57.803,-41.172 -56.552,-41.172 -55.993,-41.731 -55.993,-41.81 -55.677,-42.126 U2.18 ; v1(-37.34,-59.179) -37.151,-59.179 -32.944,-63.386 P3.5
  Bottom Layer w0.406: v1(-57.311,-56.439) -57.235,-56.362 -51.259,-56.362 -50.472,-57.15 -45.022,-57.15 -44.773,-56.901 -39.323,-56.901 -38.216,-58.008 -38.216,-58.295 -37.34,-59.172 v1(-37.34,-59.179)
OCDDA: P3.4 U2.8 | length 24.5
  Top Layer w0.406: U2.8 -49.327,-53.604 -49.101,-53.83 -49.052,-53.83 -46.824,-56.058 -44.088,-56.058 -35.484,-64.662 P3.4
Relay1ControlPin: D4.K U2.14 | length 37.6
  Top Layer w0.406: D4.K -74.6,-37.544 -72.596,-39.548 -69.673,-39.548 -67.489,-41.732 -64.068,-41.732 v1(-61.883,-39.548) ; v1(-57.29,-39.933) -57.24,-39.883 -52.022,-39.883 -50.597,-41.309 U2.14
  Bottom Layer w0.406: v1(-61.883,-39.548) -60.741,-40.691 -58.281,-40.691 -57.524,-39.933 v1(-57.29,-39.933)
Relay2ControlPin: D5.K U2.13 | length 27.3
  Top Layer w0.406: v1(-49.437,-40.691) -49.382,-40.746 -49.382,-42.871 U2.13 ; v1(-45.373,-40.526) -44.014,-40.526 -43.062,-41.478 -39.711,-41.478 -39.685,-41.453 -30.387,-41.453 -29.82,-40.885 D5.K
  Bottom Layer w0.406: v1(-49.437,-40.691) -49.355,-40.608 -45.455,-40.608 v1(-45.373,-40.526)
TempSensor: P5.2 R9.2 U2.20 | length 66.5
  Top Layer w0.406: U2.20 -58.217,-43.726 -64.169,-49.678 -64.169,-53.137 -61.959,-55.346 -56.371,-55.346 -54.428,-57.289 -54.408,-57.289 -53.989,-57.709 v1(-53.755,-57.709) ; v1(-40.609,-57.993) -36.982,-57.993 -32.284,-62.691 -32.284,-64.257 -28.668,-67.872 -27.102,-67.872 ; P5.2 -27.102,-67.742 -26.594,-67.234 -22.94,-67.234 -22.047,-68.127 -22.047,-69.886 R9.2
  Bottom Layer w0.406: v1(-53.755,-57.709) -53.522,-57.709 -53.237,-57.993 v1(-40.609,-57.993)
pads on no net: J1.0 sw1.5 sw2.5 sw3.5 U1.2 U1.4 U2.3 U2.10 U2.19

## Polygon pours and split planes (outlines as drawn)
GND on Top Layer "GND_L01_P000" (solid, remove dead copper, pour order 0): -81.127,-73.711 -81.127,-0.077 -0.077,-0.077 -0.077,-73.711
GND on Bottom Layer "GND_L02_P001" (solid, remove dead copper, pour order 1): -81.127,-73.711 -81.127,-0.077 -0.077,-0.077 -0.077,-73.711

## Other copper
Top Layer:
  rectangle net 3.3V: -48.946,-72.009 -42.342,-59.538
Bottom Layer:
  region net 3.3V: -42.342,-59.563 -48.946,-59.563 -48.946,-72.035 -42.342,-72.035

## Silkscreen, mask and mechanical layers (free items; w line width, h text height)
Top Overlay:
  text "3.3V" at -6.976,-23.452 h0.8
  text "GND" at -6.976,-25.992 h0.8
  text "RxD" at -6.976,-28.541 h0.8
  text "Relay 2" at -34.519,-29.263 h2
  text "TxD" at -6.976,-31.081 h0.8
  text "Relay 1" at -78.105,-33.175 h2
  text "SDA" at -69.384,-41.664 h0.8
  text "SCL" at -69.384,-44.204 h0.8
  text "3.3v" at -69.384,-46.744 h0.8
  text "GND" at -69.384,-49.284 h0.8
  text "RST" at -40.226,-68.072 h0.8 r90
  text "GND" at -37.686,-68.072 h0.8 r90
  text "OCDDA" at -35.146,-68.072 h0.8 r90
  text "OCDCK" at -32.606,-68.072 h0.8 r90
  text "GND" at -29.304,-68.063 h0.8 r90
  text "Temp" at -26.897,-68.063 h0.8 r90
  text "5V" at -24.224,-68.063 h0.8 r90
Bottom Overlay:
  text "NO2" at -66.704,-10.618 h1.5 r90
  text "Com Pin" at -61.622,-10.618 h1.5 r90
  text "NC2" at -56.54,-10.618 h1.5 r90
  text "NO1" at -48.467,-10.618 h1.5 r90
  text "Com Pin" at -43.385,-10.618 h1.5 r90
  text "NC1" at -38.303,-10.618 h1.5 r90
  text "VCC 2" at -30.203,-11.558 h1.5 r90
  text "Ext GND2" at -25.122,-11.558 h1.5 r90
  text "Ext GND1" at -20.042,-11.558 h1.5 r90
  text "VCC 1" at -14.963,-11.558 h1.5 r90
  text "3.3V" at -5.588,-23.613 h0.8
  text "GND" at -5.588,-26.153 h0.8
  text "RxD" at -5.588,-28.702 h0.8
  text "TxD" at -5.588,-31.242 h0.8
  text "SDA" at -73.212,-41.664 h0.8
  text "SCL" at -73.212,-44.204 h0.8
  text "3.3v" at -73.212,-46.744 h0.8
  text "GND" at -73.212,-49.284 h0.8
  text "3.3V" at -43.442,-68.072 h0.8 r270
  text "RST" at -40.902,-68.072 h0.8 r270
  text "GND" at -38.362,-68.072 h0.8 r270
  text "OCDDA" at -35.822,-68.072 h0.8 r270
  text "OCDCK" at -33.282,-68.072 h0.8 r270
  text "GND" at -29.98,-68.063 h0.8 r270
  text "Temp" at -27.307,-68.063 h0.8 r270
  text "5V" at -24.9,-68.063 h0.8 r270
Drill Drawing:
  lines w0.152: 0,-73.787 0,-0.077 ; 0,0 -81.204,0 -81.204,-73.787 0.136,-73.787

## Dimensions
0,0 to 0.136,-73.787 on Mechanical 15
-81.204,0 to 0,-0.077 on Mechanical 15

## Text inside footprints (layer, text, board x,y; h text height)
P1: Top Overlay "3" at -64.643,-6.655 h2.03 r180; Top Overlay "2" at -59.589,-6.579 h2.03 r180; Top Overlay "1" at -54.991,-6.579 h2.03 r180
P2: Top Overlay "3" at -46.406,-6.655 h2.03 r180; Top Overlay "2" at -41.351,-6.579 h2.03 r180; Top Overlay "1" at -36.754,-6.579 h2.03 r180
P6: Top Overlay "1" at -73.838,-48.456 h1.52 r180; Top Overlay "2" at -73.838,-45.771 h1.52 r180; Top Overlay "3" at -73.838,-43.231 h1.52 r180; Top Overlay "4" at -73.838,-40.691 h1.52 r180
P7: Top Overlay "4" at -28.143,-6.579 h2.03 r180; Top Overlay "3" at -23.063,-6.579 h2.03 r180; Top Overlay "2" at -18.009,-6.579 h2.03 r180; Top Overlay "1" at -13.411,-6.579 h2.03 r180
U1: Mechanical 13 "CUTOUT POLYGON" at -0.94,-34.925 h0.25 r270; Mechanical 13 "ANTENNA AREA" at -0.432,-34.925 h0.25 r270